# KiCad board Duet2.kicad_pcb (continued)
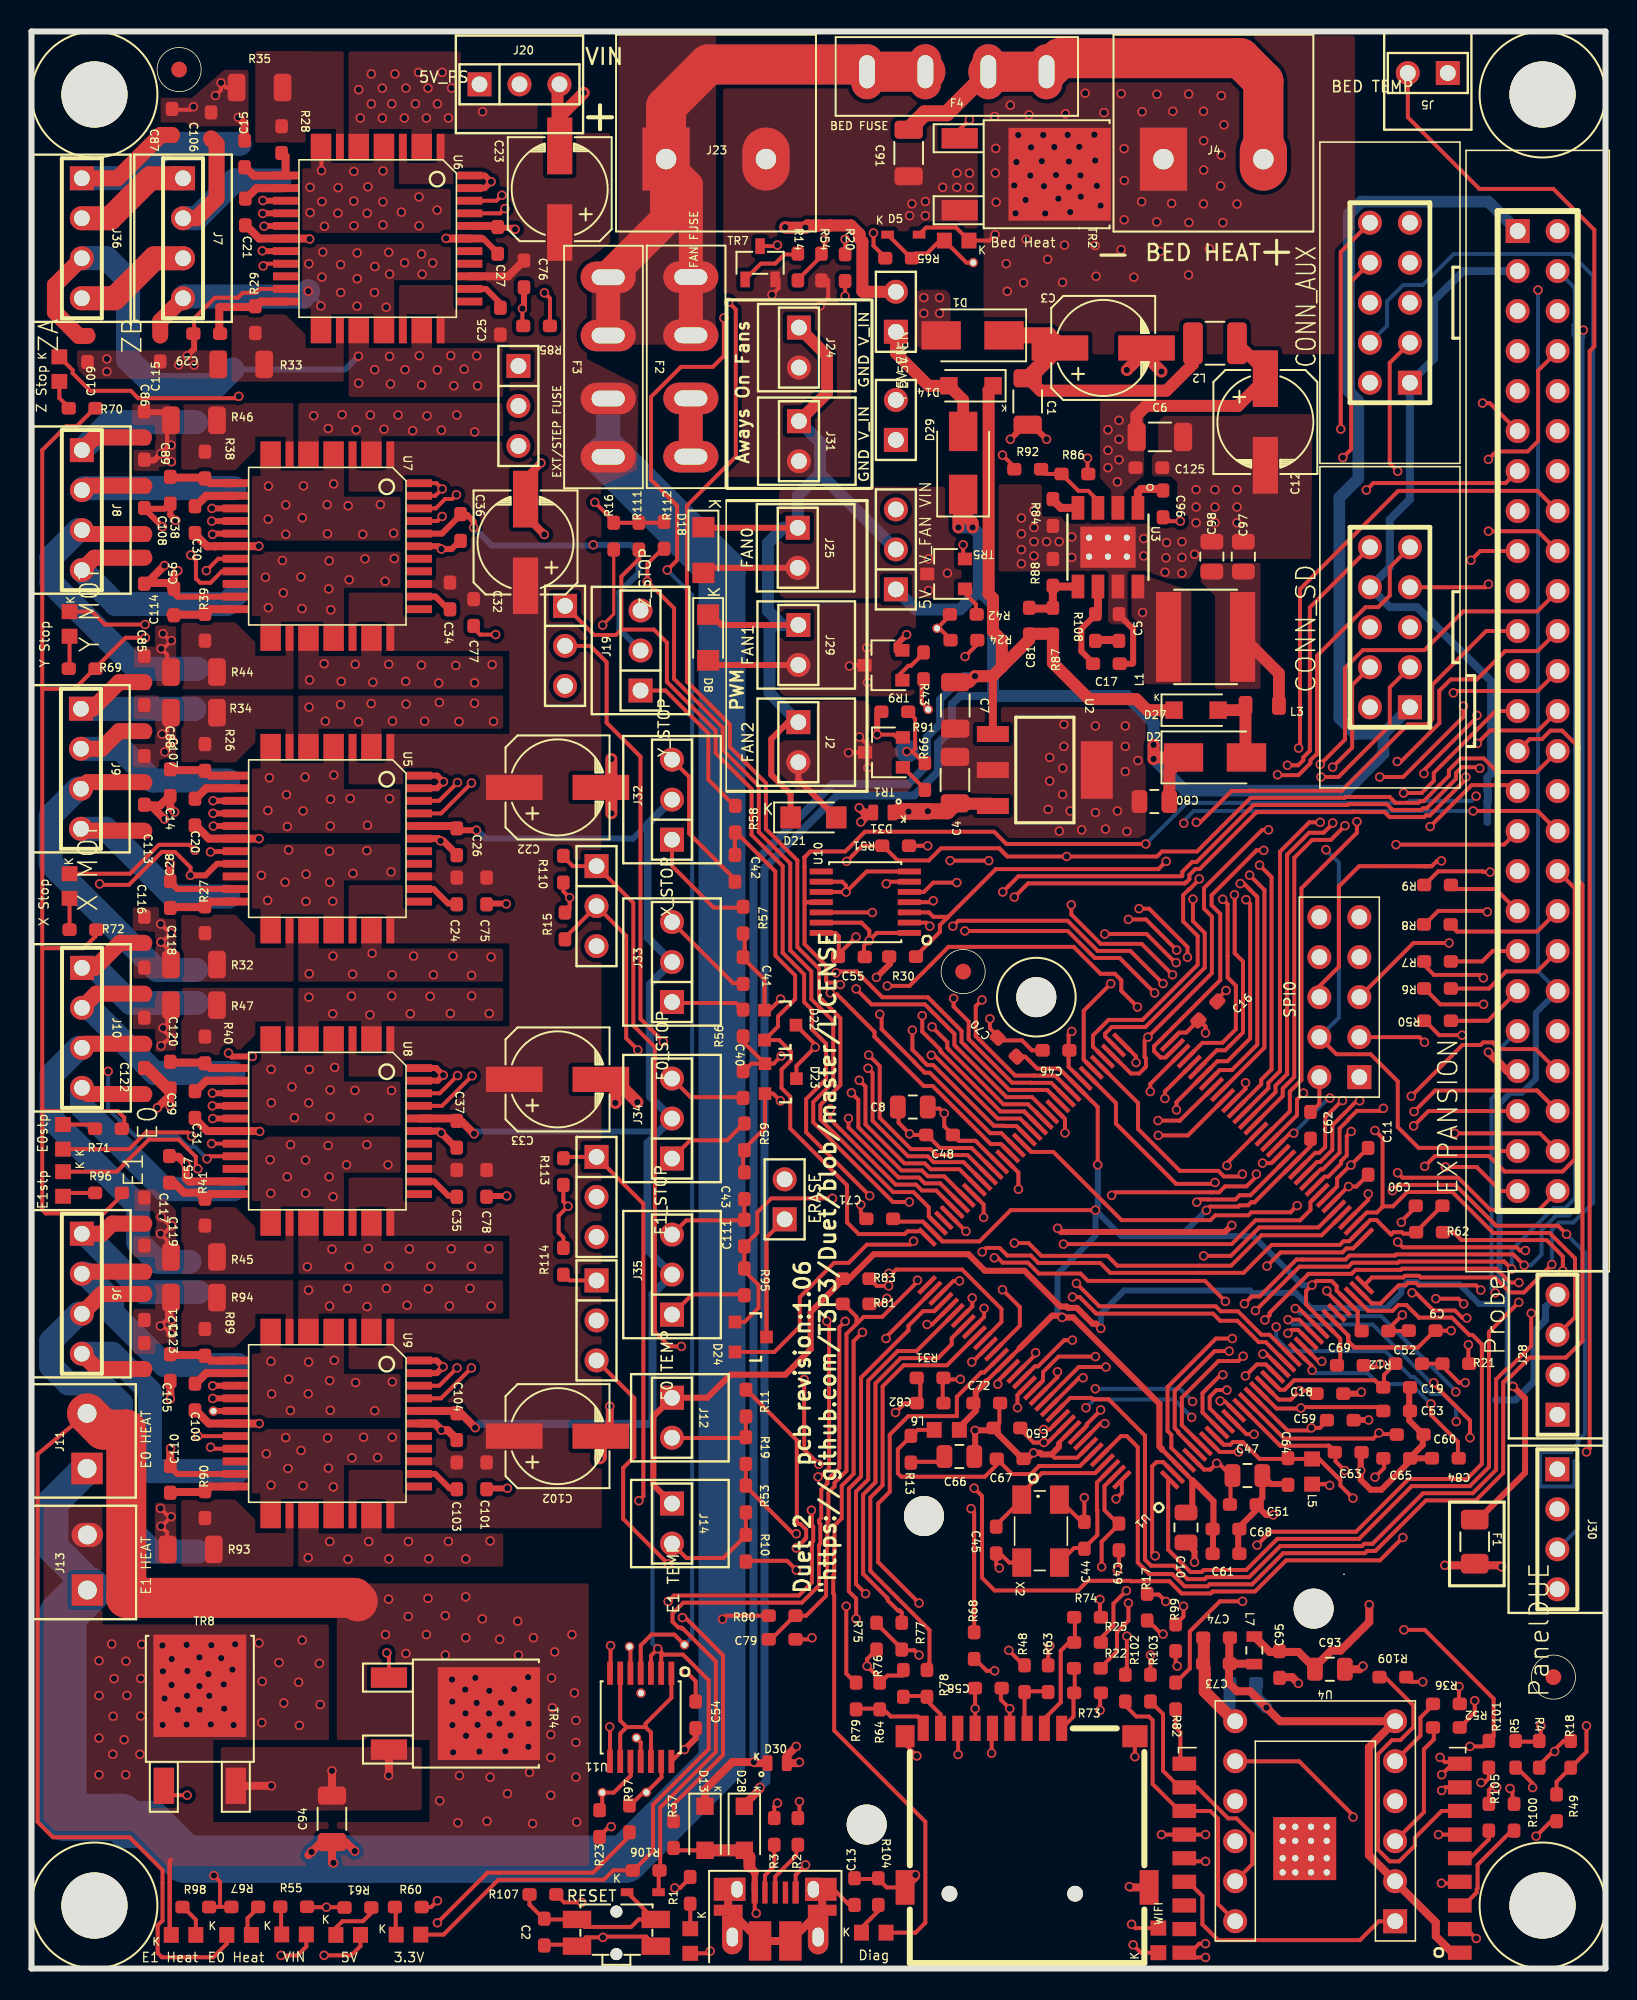
[diagram p0: board, top side]
## Routing (per net, layer and track width the routed paths; a pad name or vN(x,y) marks a point on that pad's centre or on a via; arc(x,y) is an arc through that point) (continued)
E1_DIR: length 40.6
  Top w0.254: v1(27.95,38.14) 26.02,36.21 U9.41 ; v1(54.29,40) 54.29,40.09 U1.110
  In1.Cu w0.254: v1(27.95,38.14) 30.97,41.15 TP5.2 38.83,38.22 42.24,38.22 45.49,34.97 47.8,34.97 47.81,34.99 48,34.99 50.26,37.25 50.77,37.25 50.85,37.31 51,37.29 51.03,37.34 51.11,37.51 51.15,37.52 51.17,37.55 51.35,37.58 51.59,37.67 53.93,40 v1(54.29,40)
E1_EN: length 76.1
  Top w0.254: v1(64.3,34.23) 64.69,34.23 U1.133 ; v1(10.57,33.82) 10.58,33.81 U9.18 ; TP5.3 38.3,36.22 38.3,32.49 37.59,31.79 37.59,28.55 40.44,25.69 v1(40.46,25.69)
  In1.Cu w0.254: v1(10.57,33.82) 10.57,32.75 10.99,32.32 13.27,32.32 15.49,34.54 25.39,34.54 29.46,38.61 TP5.3 ; v1(40.46,25.69) 40.94,25.69 42.23,26.98 42.23,27.7 42.76,28.23 49.93,28.23 50.37,28.67 50.47,28.67 54.64,32.84 62.49,32.84 63.88,34.23 v1(64.3,34.23)
E1_MOT_1A: length 16.8
  Top w1.016: 7.17,44.25 3.34,44.25 J6.2
  Bottom w1.524: 13.13,38.33 8.44,38.33 5.12,41.65 5.12,42.43 3.43,44.12 J6.2
  vias: v1(15.21,38.56) v1(15.26,36.49) v1(16.34,37.42) v1(16.45,35.44) v1(17.61,38.51) v1(17.58,36.49) v1(18.95,37.33) v1(18.98,35.45) v1(19.24,38.62) v1(20.59,37.21) v1(21.81,35.42) v1(22.92,37.26)
E1_MOT_1B: length 13.2
  Top w1.016: 7.17,47.3 5.13,47.3 4.48,46.66 J6.1
  Bottom w1.524: 10.6,42.95 7.13,42.95 3.42,46.66 J6.1
  vias: v1(17.6,43.08) v1(18.94,42.06) v1(20.08,43.19) v1(21.32,42.03) v1(22.55,43.19) v1(23.86,42.12) v1(25.21,43.17) v1(26.55,42.07) v1(27.86,43.19) v1(29.2,42.07)
E1_MOT_2A: length 27.3
  Top w1.016: 7.17,42.83 4.45,42.83 J6.3
  Bottom w1.524: 10.58,26.48 7.68,26.48 5.69,28.47 5.69,35.88 4.42,37.15 2.34,37.15 1.25,38.24 1.25,39.85 2.99,41.58 J6.3
  vias: v1(17.58,26.08) v1(18.95,27.11) v1(20.11,25.99) v1(21.42,27.11) v1(22.7,26.01) v1(23.95,27.11) v1(25.24,26.02) v1(26.49,27.12) v1(27.59,26.01) v1(29.14,27.15)
E1_MOT_2B: length 20.3
  Top w1.016: 7.17,38.07 4.17,38.07 J6.4
  Bottom w1.524: 13.12,31.58 7.53,31.58 7.52,31.6 7.52,36.65 5.13,39.04 J6.4
  vias: v1(14.92,32.68) v1(15.22,30.7) v1(16.15,33.71) v1(16.3,31.76) v1(17.12,32.9) v1(17.25,30.66) v1(18.82,33.69) v1(18.86,31.77) v1(19.18,30.58) v1(20.36,32.43) v1(21.1,33.74) v1(21.99,32.45) v1(22.92,33.74)
E1_PWM: length 4.3
  Top w0.254: 37.99,10.3 38.87,11.19 TP11.1 39.07,11.19 40.02,12.14 40.02,13.67
E1_STEP: length 61.6
  Top w0.254: v1(27.03,38.14) 25.91,37.01 U9.42 ; U1.126 63.75,38.24 63.95,38.24 65.61,39.9 v1(66.13,39.9) ; TP5.1 34.2,43.69 33.79,44.1 ; v1(49.09,37.4) 49.09,32.95 v1(50.02,32.02)
  In1.Cu w0.254: v1(49.09,37.4) 47.09,37.4 45.82,38.68 40.91,38.68 TP5.1 32.59,43.69 v1(27.03,38.14) ; v1(66.13,39.9) 65.47,39.9 61.64,36.07 54.77,36.07 53.77,35.07 53.68,34.89 53.61,34.86 53.61,34.86 53.6,34.86 53.6,34.85 53.53,34.83 53.4,34.7 53.25,34.4 53.12,34.36 53.1,34.3 53.09,34.3 53.07,34.28 53.06,34.27 53.05,34.26 52.93,34.23 50.72,32.02 v1(50.02,32.02)
E1_STOP: length 26.8
  Top w0.25: v1(60.49,47.69) 60.49,48.51 U1.100 ; v1(50.89,48.9) 47,48.9 46.12,48.02 46.12,46.73 45.29,45.9 45.29,44.5 45.19,44.4 46.19,43.4 46.19,41.95 45.3,41.05 D24.1
  In1.Cu w0.25: v1(50.89,48.9) 52.06,50.07 58.11,50.07 v1(60.49,47.69)
E1_STOP_CONN: length 49.3
  Top w0.254: D19.2 5.42,50.6 7.45,52.64 9.35,52.64 10.44,51.55 10.44,50.95 ; 45.22,42.89 45.2,42.89 ; J35.1 41.97,42.8 45.19,42.8
  In1.Cu w0.254: J35.1 37.13,45.09 34.53,45.09 31.7,47.92 13.43,47.92 v1(10.57,50.78)
E2_DIR: length 65.8
  Top w0.254: U1.71 72.05,57.85 71.72,57.85 71.32,58.25 71.32,58.56 75.52,62.76 75.52,66.97 74.97,67.52 74.97,68.15 77.83,71 v1(78.29,71)
  In1.Cu w0.254: J1.6 96.58,105.25 95.34,104.01 93.89,104.01 92.82,102.93 92.82,99.04 91.85,98.08 85.09,98.08 83.69,96.67 83.28,96.67 83.23,96.63 83.22,96.63 83.19,96.6 83.17,96.6 83.15,96.58 83.09,96.58 83.09,96.57 83.07,96.57 83.07,96.57 83.06,96.57 82.69,96.2 82.69,95.92 81.16,94.4 81.16,78.99 80.29,78.12 80.24,78.12 79.87,77.75 79.87,77.7 77.96,75.79 77.96,71.33 v1(78.29,71)
E2_EN: length 60.8
  Top w0.254: v1(83.45,72.57) 82.55,71.67 81.36,71.67 80.23,70.53 80.23,56.61 79.49,55.88 79.49,55.39 U1.57
  In1.Cu w0.254: J1.7 93.27,101.56 93.27,98.86 92.04,97.62 87.82,97.62 85.71,95.52 85.71,93.81 82.53,90.63 82.53,78.48 83.19,77.82 83.3,77.82 84.2,76.92 84.2,74.95 83.45,74.2 v1(83.45,72.57)
E2_STEP: length 100.1
  Top w0.25: v1(66.81,37.51) 66.56,37.51 U1.131
  In1.Cu w0.25: v1(66.81,37.51) 66.81,39.01 67.71,39.91 68.69,39.91 69.75,40.96 69.75,50.55 68.08,52.22 68.08,62.13 67.94,62.26 67.94,62.8 69.77,64.62 69.77,65.82 71.36,67.41 71.36,70.46 71.42,70.51 71.42,74.03 77.99,80.6 77.99,100.7 82.92,105.64 82.92,110.57 84.5,112.15 88.13,112.15 90.13,110.15 90.13,109.53 J1.5
E2_STOP: length 96.9
  Top w0.254: v1(94.04,44.41) 93.56,44.89 86.88,44.89 86.81,44.82 83.92,44.82 83.67,44.57 80.55,44.57 v1(77.76,41.77) ; U1.4 72.41,33.05 72.41,33.89 72.17,34.13 72.17,36.92 75.25,40 v1(76.29,40)
  In1.Cu w0.254: v1(77.76,41.77) 77.76,41.47 v1(76.29,40)
  Bottom w0.254: J1.4 98.05,106.7 98.05,104.42 97.96,104.34 97.96,103.74 98.06,103.64 98.06,48.91 97.43,48.28 96.68,48.28 94.04,45.64 v1(94.04,44.41)
E3_DIR: length 59.5
  Top w0.254: J1.11 92.64,99.4 v1(92.19,99.4) ; v1(78.02,70.06) 78.78,69.3 78.78,57.09 78.13,56.44 78.13,56.15 U1.60
  In1.Cu w0.254: v1(92.19,99.4) 91.51,98.72 85.1,98.72 83.5,97.13 82.98,97.13 82.88,97.02 82.87,97.02 80.71,94.87 80.71,79.18 80.11,78.57 80.05,78.57 79.42,77.94 79.42,77.89 77.46,75.93 77.46,70.62 v1(78.02,70.06)
E3_EN: length 59.6
  Top w0.254: v1(84.21,72.82) 84.21,72.12 80.68,68.59 80.68,56.42 79.95,55.69 79.95,54.43 U1.55
  In1.Cu w0.254: v1(84.21,72.82) 84.73,73.35 84.73,77.08 83.04,78.77 83.04,90.5 86.17,93.63 86.17,95.33 86.53,95.7 86.6,95.7 88.04,97.14 93.04,97.14 93.8,96.38 95.71,96.38 J1.12
E3_STEP: length 113
  Top w0.254: v1(95.28,41.6) 95.28,39.53 93.79,38.04 93.68,38.04 93.05,37.41 93.05,31.66 91.57,30.18 88.4,30.18 85.19,26.97 84.67,26.97 84.53,26.83 79.33,26.83 77.36,24.85 74.66,24.85 74.54,24.72 73.44,24.72 72.59,25.58 71.13,25.58 70.74,25.97 70.74,33.83 68.43,36.15 67.43,36.15 67.35,36.23 65.99,36.23 U1.132
  In1.Cu w0.254: v1(95.28,41.6) 95.28,41.97 95.6,42.29 95.6,43.82 95.96,44.18 95.96,44.92 95.99,44.95 95.99,46 97.36,47.37 98.06,47.37 99.03,48.34 99.03,98.1 J1.10
E3_STOP: length 100.6
  Top w0.254: v1(77.06,42.21) 77.52,42.68 78.02,42.68 80.37,45.02 80.76,45.02 80.76,45.02 83.48,45.02 83.73,45.27 86.62,45.27 86.7,45.35 94.14,45.35 v1(94.83,44.66) ; U1.6 72.87,34.01 72.87,34.08 72.63,34.32 72.63,36.67 75.17,39.2 v1(76.09,39.2)
  In1.Cu w0.254: J1.9 95.62,101.37 95.62,103.27 96.38,104.04 v1(98.59,104.04) ; v1(77.06,42.21) 75.66,40.82 75.66,39.63 v1(76.09,39.2)
  Bottom w0.254: v1(94.83,44.66) 95.25,44.66 95.94,45.34 95.94,46.89 96.87,47.82 97.67,47.82 98.54,48.69 98.54,103.56 98.59,103.61 v1(98.59,104.04)
E4_DIR: length 59.3
  Top w0.254: U1.78 66.85,57.71 66.85,60.82 v1(68.57,62.54) ; J1.16 95.68,93.83 86.83,93.83 80.59,87.59 80.59,77.58 v1(80.5,77.49)
  In1.Cu w0.254: v1(80.5,77.49) 80.5,75.59 79.9,74.98 79.9,69.68 77.37,67.15 71.74,67.15 70.22,65.63 70.22,64.31 68.57,62.66 v1(68.57,62.54)
E4_EN: length 58.8
  Top w0.25: v1(91.45,89.42) 92.03,90.01 J1.17 ; v1(90.98,80.16) 90.98,79.49 87.15,75.66 v1(85.65,75.66) ; v1(78.21,51.14) 78.78,51.14 U1.52
  In1.Cu w0.25: v1(90.98,80.16) 90.98,88.95 v1(91.45,89.42) ; v1(78.21,51.14) 78.21,54.2 70.73,61.69 70.73,62.27 72.04,63.59 72.04,64.84 72.51,65.3 78.13,65.3 85.65,72.83 v1(85.65,75.66)
E4_STEP: length 94.9
  Top w0.254: v1(94.49,42.3) 92.6,40.41 92.6,31.85 91.38,30.63 87.69,30.63 84.34,27.28 79.15,27.28 77.17,25.3 74.48,25.3 74.35,25.18 73.63,25.18 72.21,26.59 72.21,30.93 U1.1
  In1.Cu w0.254: v1(94.49,42.3) 95.15,42.96 95.15,44.05 95.51,44.42 95.51,45.11 95.54,45.14 95.54,46.19 97.17,47.82 97.81,47.82 98.57,48.59 98.57,90.76 98.06,91.27 95.69,91.27 J1.15
E4_STOP: length 84.8
  Top w0.254: U1.7 73.83,33.76 73.83,33.76 73.08,34.51 73.08,36.25 75.41,38.58 76.67,38.58 v1(76.98,38.88) ; v1(94.5,43.56) 93.94,43.56 93.06,44.44 87.07,44.44 87,44.36 84.12,44.36 83.87,44.11 81.14,44.11 78.66,41.63 78.66,41.48 v1(78.36,41.18)
  In1.Cu w0.254: v1(78.36,41.18) 77.1,39.93 77.1,39.01 v1(76.98,38.88)
  In2.Cu w0.254: v1(94.5,43.56) 94.94,43.56 95.96,44.58 95.96,45 96.29,45.33 98.1,45.33 98.77,46.01 98.77,93.27 J1.14
E5_DIR: length 45.8
  Top w0.25: J1.21 92.41,84.93 88.99,81.5 88.99,79.33 88.66,79 87.45,79 83.24,74.79 77.54,74.79 77.37,74.79 77.36,74.78 76.25,74.78 74.25,72.78 v1(74,72.78) ; U1.74 68.21,59.18 68.21,59.36 68.63,59.78 70.77,59.78 74.54,63.55 74.54,65.75 73.79,66.5 v1(73.79,67.9)
  In1.Cu w0.25: v1(73.79,67.9) 73.57,68.13 73.57,69.45 74,69.88 v1(74,72.78)
E5_EN: length 48
  Top w0.25: J1.22 95.69,83.65 93.62,83.65 91.83,81.86 90.16,81.86 89.44,81.14 89.44,79.07 87.01,76.64 v1(86.77,76.64) ; v1(80.19,53.04) 79.97,53.04 U1.53
  In1.Cu w0.25: v1(86.77,76.64) 87.96,75.45 87.96,73.22 87.78,73.04 87.78,72.14 87.79,72.13 87.79,72.07 87.95,71.91 87.95,61.2 86.96,60.21 86.96,55.06 86.76,54.86 86.76,54.61 86.13,53.98 83.49,53.98 82.49,54.98 v1(82.49,55.27)
  Bottom w0.25: v1(80.19,53.04) 82.42,55.27 v1(82.49,55.27)
E5_STEP: length 77
  Top w0.25: v1(67.59,38.86) 65.24,38.86 64.27,37.88 64.27,37.34 U1.128 ; J1.20 95.67,86.18 90.96,86.18 88.5,83.72 84.58,83.72 83.45,82.58 83.45,78.04 v1(81.88,76.46)
  Top w0.254: U1.128 64.26,37.34
  In1.Cu w0.25: v1(67.59,38.86) 68.28,38.86 70.2,40.77 70.2,50.74 68.65,52.29 68.65,61.73 69.38,62.47 69.38,62.83 70.67,64.12 70.67,65.37 71.95,66.65 77.5,66.65 80.35,69.49 80.35,74.77 81.3,75.72 81.3,75.92 81.66,76.29 81.8,76.29 81.88,76.36 v1(81.88,76.46)
E5_STOP: length 71.1
  Top w0.254: U1.10 74.4,35.31 74.4,36.54 75.56,37.7 v1(75.69,37.7) ; v1(86.79,46.13) 87.13,45.8 94.35,45.8 94.56,45.59 v1(94.91,45.59)
  In1.Cu w0.254: v1(86.79,46.13) 86.23,46.13 83.76,43.67 83.76,42.93 80.53,39.7 77.89,39.7 77.6,39.41 77.6,38.58 77.28,38.26 76.24,38.26 v1(75.69,37.7)
  In2.Cu w0.254: v1(94.91,45.59) 95.66,46.34 95.66,86.23 J1.19
E6_DIR: length 62.2
  Top w0.25: v1(91.85,77.79) 92.68,78.62 95.73,78.62 J1.26 ; v1(75.95,36.73) 75.28,36.73 74.85,36.31 74.85,35.57 U1.11
  In1.Cu w0.25: v1(91.85,77.79) 90.5,76.44 90.5,74.14 90.86,73.78 90.86,73.2 91.51,72.56 91.51,58.89 91.48,58.86 91.48,57.75 91.98,57.24 91.98,47.7 87.94,43.66 87.04,43.66 86.02,42.63 86.02,41.73 83.09,38.81 83.09,38.04 82.4,37.36 80.3,37.36 79.68,36.73 v1(75.95,36.73)
E6_EN: length 92
  Top w0.254: U1.140 69.21,33.8 69.59,33.8 70.28,33.11 70.28,25.78 71.02,25.05 72.48,25.05 73.25,24.27 74.72,24.27 74.85,24.4 77.55,24.4 79.52,26.37 84.71,26.37 84.85,26.51 85.38,26.51 88.59,29.72 91.75,29.72 93.5,31.47 93.5,37.22 93.87,37.59 93.98,37.59 95.18,38.79 97.48,38.79 98.54,39.85 98.54,68.82 98.3,69.05 98.3,77.55 97.25,78.61 96.5,78.61 95.96,78.07 95.18,78.07 J1.27
E6_STEP: length 38
  Top w0.25: v1(85.89,54.62) 85.73,54.46 84.2,54.46 83.64,53.9 83.64,53.87 83.11,53.34 83.11,51.81 82.04,50.74 81.91,50.74 U1.47 ; v1(87.17,74.64) 88.32,74.64 89.09,75.42 89.09,75.92 93.02,79.85 J1.25
  In1.Cu w0.25: v1(85.89,54.62) 86.4,55.13 86.4,60.28 87.41,61.29 87.41,71.82 87.17,72.06 v1(87.17,74.64)
E6_STOP: length 56.5
  Top w0.25: v1(81.97,38.55) 81.77,38.55 U1.25 ; J1.24 95.7,81.13 90.45,81.13 v1(90.33,81)
  In1.Cu w0.25: v1(81.97,38.55) 81.97,38.98 85.12,42.12 85.12,43.1 86.62,44.6 87.6,44.6 91.09,48.09 91.09,56.86 90.82,57.12 90.82,57.13 90.38,57.57 90.38,58.88 90.26,59 90.26,59.01 90.26,59.53 90.62,59.88 90.62,64.79 90.68,64.86 90.68,70.72 90.62,70.79 90.62,72.81 90.41,73.02 90.41,73.59 90.05,73.95 90.05,80.72 v1(90.33,81)
EDR_CONN: length 28.9
  Top w0.254: v1(71.89,21.23) 71.79,21.23 70.88,22.15 ; 90.73,11.5 89.79,11.5 v1(89.59,11.3)
  In1.Cu w0.254: v1(71.89,21.23) 72.02,21.11 72.02,15.05 76.45,10.62 85.09,10.62 86.18,11.71 89.18,11.71 v1(89.59,11.3)
ENC_A: length 95.7
  Top w0.254: U1.36 85.16,43.88 87.16,43.88 87.26,43.98 88.15,43.98 88.26,43.88 92.98,43.88 93.93,42.93 94.82,42.93 v1(96.59,44.7)
  Bottom w0.254: v1(96.59,44.7) 96.59,46.9 97.06,47.37 97.96,47.37 99.22,48.63 99.22,107.48 97.82,108.88 90.36,108.88 88.39,106.9 87.16,106.9 86.12,105.86 86.12,104.33 P2.4
ENC_B: length 59.1
  Top w0.25: 84.2,55.1 v1(84.38,55.1) 84.2,55.1 ; 84.2,55.1 82.64,53.54 82.64,51.99 81.87,51.21 81.67,51.21 U1.48 ; v1(86.8,95.08) 86.29,95.58 86.29,101.95 P2.3
  In1.Cu w0.25: v1(84.38,55.1) 84.85,55.1 85.49,55.74 85.49,71.33 86.28,72.12 86.28,76.18 83.49,78.96 83.49,90.31 86.8,93.62 v1(86.8,95.08)
ENC_SW: length 68.1
  Top w0.254: P1.7 92.37,87.71 v1(92.56,87.9) ; U1.35 85.15,42.24 85.71,42.24 86.86,43.38 87.3,43.38 87.45,43.53 87.97,43.53 88.12,43.38 91.78,43.38 v1(92.07,43.08)
  In1.Cu w0.254: v1(92.56,87.9) 93.26,88.6 97.66,88.6 98.12,88.14 98.12,48.78 97.62,48.28 96.51,48.28 92.07,43.85 v1(92.07,43.08)
ENN: length 258.9
  Top w0.25: 61.48,71.13 61.89,70.72 ; 61.48,71.13 62,70.61 v1(65.77,70.61) 71.5,70.61 71.82,70.93 74.05,70.93 77.45,74.33 77.55,74.33 77.55,74.34 83.43,74.34 83.48,74.39 86.29,74.39 86.66,74.02 88.11,74.02 88.21,74.13 88.44,74.13 90.05,75.73 90.05,76.1 90.78,76.84 92.27,76.84 93.13,75.97 95.63,75.97 J1.28 ; 61.48,71.13 57.78,71.13 57.01,70.36 55.03,70.36 54.1,71.29 ; v1(80.81,55.59) 80.4,55.18 80.4,54.18 U1.54 ; v1(66.06,67.54) 66.06,66.93 67.93,65.07 70.53,65.07 v1(72.49,63.1)
  Top w0.254: v1(11.38,33.1) 11.47,33.01 U9.19 ; v1(4.33,68.87) 4.39,68.81 6.19,68.81 8.28,70.9 9.12,70.9 10.1,69.92 v1(10.1,69.41) ; v1(14.72,108.11) 14.86,108.25 U6.19 ; v1(11.15,51.41) 11.31,51.58 U8.19 ; v1(10.12,89.75) 10.45,89.42 10.45,88.26 10.72,87.99 11.37,87.99 12.09,88.72 U7.19 ; v1(51.79,70.3) 52.78,71.29 54.1,71.29
  Top w0.381: v1(10.1,69.41) 11.05,69.41 11.78,70.15 U5.19
  In1.Cu w0.25: v1(66.06,67.54) 66.06,70.32 v1(65.77,70.61) ; v1(72.49,63.1) 73.22,63.1 80.73,55.59 v1(80.81,55.59)
  In1.Cu w0.254: v1(11.38,33.1) 11.38,34.22 11.77,34.61 12.5,34.61 13.72,35.83 13.72,37.68 12.35,39.05 8.26,39.05 7.09,40.22 7.09,51.7 8.22,52.84 9.24,52.84 9.88,52.2 10.69,52.2 11.15,51.74 v1(11.15,51.41) ; 13.52,73.19 12.11,71.77 10.16,71.77 9.57,71.19 9.57,69.94 v1(10.1,69.41) ; 13.52,73.19 13.52,75.08 12.54,76.06 7.33,76.06 6.55,76.84 6.55,88.13 8.16,89.74 10.11,89.74 v1(10.12,89.75) 10.68,90.31 12.12,90.31 13.54,91.74 13.54,93.57 12.54,94.58 7.29,94.58 6.55,95.32 6.55,98.6 7.23,99.28 11.57,99.28 13.96,101.67 13.96,101.69 14.72,102.45 v1(14.72,108.11) ; 13.52,73.19 14.07,73.19 15.51,71.74 24.84,71.74 25.4,72.3 26.23,72.3 27.16,71.38 29.56,71.38 34.78,66.17 36.65,66.17 39.92,69.44 42.44,69.44 43.3,70.3 v1(51.79,70.3) ; v1(4.33,68.87) 4.52,68.69 4.52,57.75 4.87,57.4 v1(4.87,56.97)
  Bottom w0.254: v1(4.87,56.97) 4.87,54.58 6.62,52.83 9.28,52.83 9.94,52.17 10.39,52.17 v1(11.15,51.41)
ERASE: length 25
  Top w0.25: U1.87 63.32,54.88 61.75,54.88 58.28,58.35 58.28,58.36 58.18,58.46 58.18,58.83 57.22,59.79 v1(57.22,59.8)
  In1.Cu w0.25: JP1.2 49.17,51.43 52.05,51.43 55.87,55.25 55.87,58.45 v1(57.22,59.8)
ESP_3.3VIN: length 35.6
  Top w0.508: 90.46,1 90.27,1 89.22,2.05 89.22,2.93 86.63,5.52 J16.2 84.97,7.21 84.97,14.04 J16.6 79.32,15.7 v1(78.46,16.56) 77.42,17.6 76.59,17.6 76.08,18.11 76.08,19.35 ; L7.2 77.66,19.35 76.08,19.35 ; 76.08,19.35 76.1,19.37 76.1,20.89
  Bottom w0.762: C92.1 77.81,17.21 v1(78.46,16.56)
ESP_DATA_RDY: length 12.2
  Top w0.254: v1(72.06,23.31) 71.63,23.75 70.88,23.75 ; v1(71.39,26.2) 71.2,26.4 71.2,31.89 71.46,32.16 71.9,32.16 U1.2
  In1.Cu w0.254: v1(71.39,26.2) 72.06,25.53 v1(72.06,23.31)
ESP_EN: length 45.1
  Top w0.254: v1(98.79,15.4) 98.79,13.75 96.89,11.85 96.89,11 ; U1.28 80.53,41.9 v1(80.29,41.9)
  In1.Cu w0.254: v1(98.79,15.4) 98.79,28.85 97.39,30.25 96.21,30.25 95.59,30.88 95.59,31.51 v1(90.49,36.61)
  Bottom w0.254: v1(80.29,41.9) 80.59,41.6 80.89,41.6 81.07,41.42 85.75,41.42 90.49,36.68 v1(90.49,36.61)
ESP_RST: length 40.1
  Top w0.254: v1(79.83,41.2) 80.53,41.2 U1.27 ; 94.29,14.4 95.79,14.4 95.89,14.5 v1(95.89,15.4) ; v1(89.08,37.2) 89.08,37.11 91.39,34.8 v1(91.39,33.7)
  In1.Cu w0.254: v1(95.89,15.4) 95.89,15.69 91.39,20.19 v1(91.39,33.7)
  Bottom w0.254: v1(89.08,37.2) 88.89,37.2 85.19,40.9 80.13,40.9 v1(79.83,41.2)
ESP_RST_IN: length 30.9
  Top w0.254: 86.61,3 85.6,3 84.4,1.8 75.39,1.8 74.39,2.8 74.39,4.6 73.49,5.5 ; v1(95.37,11.49) 95.37,11.75 94.31,12.8 94.29,12.8
  In1.Cu w0.254: 86.61,3 88.04,3 95.37,10.33 v1(95.37,11.49)
FAN0: length 83.9
  Top w0.25: v1(62.64,35.61) 62.64,36.42 U1.127 ; v1(50.53,41.1) 50.67,40.96 50.67,31.78 50.11,31.22 v1(49.97,31.22)
  Top w0.254: 58.4,85.99 58.4,85.97 TP12.1 57.69,85.1 58.44,84.35
  In1.Cu w0.25: v1(62.64,35.61) 62.08,35.04 55.52,35.04 55.15,34.68 55.15,34.68 51.69,31.22 v1(49.97,31.22) ; TP12.1 57.6,85.03 57.6,79.7 59.28,78.01 59.28,69.35 59.64,68.99 59.64,66.43 59.93,66.14 59.93,65.62 55.42,61.12 55.42,59.96 55.31,59.84 55.31,55.33 52.93,52.95 48.4,52.95 46.39,50.94 46.39,45.24 v1(50.53,41.1)
FAN0-: length 6.1
  Top w0.381: 42.69,88.75 42.88,88.94 J25.2
  vias: v1(56.99,89.5) v1(56.99,87.5) v1(58.19,88.6)
FAN1: length 65.9
  Top w0.25: v1(75.52,36.04) 75.79,36.04 U1.13 ; v1(58.36,70.35) 58.37,70.35 v1(60.82,70.35) ; v1(75.85,42.36) 74.55,43.66 67.12,43.66 66.65,44.13 63.99,44.13 63.3,44.82 61.7,44.82 61.39,45.13 v1(61.17,45.13)
  Top w0.254: 56.96,79.97 56.55,80.38 56.55,81.91
  In1.Cu w0.25: 56.96,79.97 56.96,79.7 58.36,78.29 v1(58.36,70.35) ; v1(60.82,70.35) 61,70.16 61,66.99 61.29,66.71 61.29,64.85 59.21,62.78 59.21,56.64 61.17,54.68 v1(61.17,45.13) ; v1(75.85,42.36) 75.06,41.58 75.06,36.49 v1(75.52,36.04)
FAN1-: length 9
  Top w0.254: v1(53.07,83.86) 53.07,83.86 53.07,82.76 ; v1(53.11,81.67) 53.07,81.71 53.07,82.76 ; v1(51.97,82.7) 52.02,82.76 53.07,82.76
  Top w0.381: J29.2 43.48,82.77 43.18,83.07
FAN2: length 42.7
  Top w0.25: U1.102 57.73,49.85 56.76,49.85 56.38,50.23 55.08,50.23 51.9,53.41 v1(51.9,53.98)
  Top w0.254: 56.76,76.49 55.97,77.28 56.14,77.45 56.14,79.36 R91.2
  In1.Cu w0.25: 55.63,77.29 57.01,75.92 ; 57.01,75.92 55.65,77.27 v1(55.61,77.27) ; 57.01,75.92 57.59,75.34 57.59,70.9 55.65,68.96 55.65,61.99 54.97,61.31 54.97,60.15 54.85,60.03 54.85,55.71 53.12,53.98 v1(51.9,53.98)
FAN2-: length 7.9
  Top w0.254: v1(52.6,78.2) 53.1,77.7 53.1,77.22 ; v1(53.13,76.24) 53.1,76.27 53.1,77.22 ; v1(51.91,77.2) 51.93,77.22 53.1,77.22
  Top w0.381: D21.2 48.72,75.5 J2.2
GPIO4: length 3.6
  Top w0.254: R82.2 72.69,15.3 72.99,15 72.99,13
GPIO5: length 3.8
  Top w0.254: v1(74.59,6.8) 73.45,6.8 73.25,7
  In1.Cu w0.254: v1(74.59,6.8) 75.18,6.8 76.45,8.08
HEATER0: length 62.2
  Top w0.25: U1.23 78.66,40.24 78.14,40.24 76.65,41.74 75.55,41.74 75.23,42.05 67.84,42.05 67.84,42.06 v1(66.39,43.5)
  Top w0.254: 37.99,20.45 38.05,20.38 U11.5
  In1.Cu w0.25: TP6.1 37.44,20.99 37.44,30.39 39.02,31.97 47.46,31.97 48.03,32.55 48.03,32.83 48.93,33.73 48.93,33.74 49.2,34 49.5,34 51.08,35.58 51.11,35.63 51.14,35.64 51.27,35.76 51.61,35.76 51.72,35.8 51.79,35.76 51.8,35.77 51.88,35.85 51.88,35.85 51.89,35.86 51.93,35.9 51.95,35.93 51.96,35.93 52.01,35.98 52.17,36.29 52.4,36.37 54.34,38.31 57.74,38.31 59.33,39.9 62.15,39.9 65.76,43.5 66.39,43.5 v1(66.39,43.5)
HEATER1: length 67.5
  Top w0.25: v1(36.74,15.34) 36.75,15.32 U11.8 ; U1.22 78.42,39.77 77.97,39.77 76.61,41.13 75.51,41.13 75.06,41.58 67.64,41.58 66.59,42.64 v1(66.13,42.64)
  In1.Cu w0.25: v1(66.13,42.64) 65.83,42.34 65.43,42.34 62.44,39.35 59.65,39.35 58.79,38.49 58.57,38.49 57.93,37.86 54.53,37.86 52.76,36.09 52.72,36 52.65,35.98 52.64,35.97 52.63,35.97 52.58,35.92 52.49,35.92 52.46,35.87 52.46,35.8 52.39,35.73 52.39,35.71 52.38,35.71 52.33,35.62 52.27,35.6 52.23,35.53 52.23,35.51 52.22,35.51 52.2,35.49 52.2,35.49 52.2,35.48 52.15,35.46 52.11,35.4 52.05,35.38 52.04,35.37 52.03,35.37 51.98,35.32 51.88,35.32 51.86,35.31 51.85,35.31 51.75,35.28 51.69,35.31 51.67,35.31 51.57,35.28 51.51,35.31 51.48,35.31 51.48,35.31 51.46,35.27 51.43,35.26 51.42,35.25 51.4,35.21 51.38,35.2 49.72,33.55 49.39,33.55 48.49,32.65 48.49,32.65 48.49,32.37 47.38,31.26 42.42,31.26 42.16,31.52 39.21,31.52 37.89,30.2 37.89,21.93 38.79,21.03 38.79,17.39 v1(36.74,15.34)
HEATER2: length 74.7
  Top w0.25: U1.45 81.26,48.67 81.26,48.17 80.6,47.51 77.76,47.51 76.25,46 v1(65.56,46)
  Top w0.254: 38.42,14.65 38.7,14.37 U11.11
  In1.Cu w0.25: TP8.1 36.26,14.65 35.76,15.15 35.76,29.55 38.63,32.42 38.67,32.42 38.67,32.42 46.98,32.42 47.58,33.02 47.58,33.03 49.01,34.46 49.3,34.46 50.69,35.85 50.71,35.85 50.78,36 50.9,36.03 51.08,36.22 51.13,36.22 51.16,36.23 51.32,36.22 51.37,36.22 51.4,36.24 51.62,36.24 51.68,36.34 51.85,36.66 52.15,36.76 54.15,38.76 57.55,38.76 59.14,40.35 61.97,40.35 65.31,43.69 65.31,45.75 v1(65.56,46)
HEATER3: length 63.3
  Top w0.25: J1.8 95.72,101.47 95.72,97 95.06,96.33 93.07,96.33 v1(92.56,95.83) ; v1(84.92,49.19) 84.92,48.81 U1.40 ; v1(91.83,79.57) 91.83,79.46 88.46,76.09 v1(88.46,75.88)
  In1.Cu w0.25: v1(91.83,79.57) 91.83,87.07 91.48,87.42 91.48,88.39 92.08,88.99 92.08,90.83 91.94,90.97 91.94,95.2 v1(92.56,95.83) ; v1(84.92,49.19) 84.92,49.55 88.43,53.06 88.43,53.85 88.46,53.88 88.46,55.48 87.41,56.53 87.41,60.02 88.4,61.01 88.4,72.09 88.23,72.26 88.23,72.32 88.22,72.33 88.22,72.85 88.46,73.09 v1(88.46,75.88)
HEATER4: length 55.2
  Top w0.254: v1(84.81,93.88) 85.25,94.33 93.66,94.33 J1.13 ; v1(82.67,72.74) 82.67,72.72 82.5,72.55 82.5,72.52 82.13,72.16 82.11,72.16 82.07,72.12 81.17,72.12 79.77,70.73 79.77,56.8 79.04,56.06 79.04,55.65 U1.58
  In1.Cu w0.254: v1(82.67,72.74) 82.67,74.06 83.74,75.14 83.74,76.73 83.11,77.37 83,77.37 82.08,78.29 82.08,91.17 84.79,93.88 v1(84.81,93.88)
HEATER5: length 71.5
  Top w0.254: v1(91.13,75.65) 91.13,75.51 88.83,73.22 88.59,73.22 88.48,73.11 86.29,73.11 85.96,73.44 84.48,73.44 84.47,73.45 83.95,73.45 83.93,73.43 77.83,73.43 74.21,69.81 73.93,69.81 73.56,69.45 73.56,69.16 73.38,68.98 73.34,68.98 73.27,68.9 63.31,68.9 v1(62.44,68.04) ; v1(60.39,61.5) 59.99,61.1 59.99,59.2 62.49,56.7 63.69,56.7 63.7,56.69 65.04,56.69 U1.82 ; v1(92.56,91.27) 95.7,91.27 J1.18
  In1.Cu w0.254: v1(91.13,75.65) 91.13,76.22 91.38,76.47 91.75,76.84 91.79,76.84 92.61,77.66 92.61,86.93 91.94,87.6 91.94,88.21 92.56,88.83 v1(92.56,91.27) ; v1(62.44,68.04) 62.44,64.65 60.39,62.59 v1(60.39,61.5)
HEATER6: length 64.7
  Top w0.254: U1.94 62.7,50.55 v1(62.7,49.48) ; v1(61.7,68.36) 62.7,69.36 73.08,69.36 73.11,69.39 73.11,69.64 73.74,70.27 74.03,70.27 77.64,73.88 83.61,73.88 83.67,73.94 86.1,73.94 86.47,73.57 88.3,73.57 88.4,73.67 88.63,73.67 90.5,75.54 90.5,75.91 90.87,76.28 91.94,76.28 v1(92.01,76.21)
  In1.Cu w0.254: v1(61.7,68.36) 61.74,68.33 61.74,64.67 59.84,62.76 59.84,62.4 59.66,62.23 59.66,56.83 62.7,53.79 v1(62.7,49.48) ; v1(92.01,76.21) 93.14,77.34 93.14,81.11 J1.23
HEATER7: length 33.4
  Top w0.25: J1.31 93.56,71.36 v1(86.69,71.36) ; v1(83.29,55.11) 83.26,55.11 82.19,54.04 82.19,52.17 81.82,51.8 81.55,51.8 U1.49
  In1.Cu w0.25: v1(83.29,55.11) 83.97,54.43 84.83,54.43 85.26,54.87 85.26,54.88 85.63,55.25 85.64,55.25 85.94,55.55 85.94,70.62 v1(86.69,71.36)
LCD_DB4: length 60.4
  Top w0.254: v1(77.39,69.43) 78.33,68.49 78.33,58.47 U1.63 ; v1(83.18,97.75) 83.18,109 P2.10
  In1.Cu w0.254: v1(83.18,97.75) 82.95,97.75 80.26,95.06 80.26,79.36 79.92,79.03 79.86,79.03 78.97,78.13 78.97,78.07 77.01,76.12 77.01,69.81 v1(77.39,69.43)
LCD_DB5: length 66
  Top w0.254: U1.65 75.49,57.05 76.26,57.05 77.88,58.66 77.88,68.04 77.79,68.13 77.79,68.13 77.42,68.5 77.42,68.5 77.02,68.89 v1(76.8,68.89)
  In1.Cu w0.254: P2.9 89.68,108.75 89.68,100.46 88.63,99.41 83.9,99.41 79.8,95.32 79.8,79.55 79.73,79.48 79.68,79.48 78.51,78.32 78.51,78.26 76.56,76.31 76.56,69.13 v1(76.8,68.89)
LCD_DB6: length 62.6
  Top w0.254: U1.67 74.08,57.08 75.3,58.31 75.84,58.31 76.97,59.44 76.97,63.95 76.44,64.47 76.44,68.17 v1(76.43,68.18)
  In1.Cu w0.254: P2.7 88.88,107.01 88.88,102.76 88.07,101.95 81.94,101.95 79.35,99.36 79.35,79.79 78.06,78.5 78.06,78.45 76.1,76.49 76.1,68.51 v1(76.43,68.18)
LCD_DB7: length 56.8
  Top w0.254: v1(75.68,67.9) 75.99,67.59 75.99,64.29 75.99,64.28 75.99,62.93 76.52,62.41 76.52,59.64 75.65,58.78 74.39,58.78 U1.69
  In1.Cu w0.254: v1(75.68,67.9) 75.64,67.93 75.64,70.99 75.64,70.99 75.64,71.36 75.64,76.68 77.59,78.62 77.58,78.63 77.61,78.66 77.61,78.69 77.72,78.8 77.81,78.93 77.85,78.93 78.9,79.98 78.9,99.55 83.88,104.53 86.33,104.53 P2.5
LCD_E: length 59.3
  Top w0.254: U1.59 78.58,55.9 78.58,56.25 79.32,56.99 79.32,70.91 81.19,72.78 v1(81.87,72.78) ; v1(83.31,95.94) 83.84,96.47 83.84,107.12 P2.8
  In1.Cu w0.254: v1(83.31,95.94) 83.31,95.48 81.62,93.79 81.62,78.11 82.81,76.91 82.92,76.91 83.29,76.55 83.29,75.32 81.87,73.9 v1(81.87,72.78)
LCD_RS: length 58.3
  Top w0.25: U1.76 67.43,58.54 67.43,59.25 68.42,60.24 70.59,60.24 74.09,63.74 74.09,65.57 73.16,66.49 73.16,68.16 73.53,68.53 73.57,68.53 74.02,68.98 74.02,69.01 v1(74.19,69.19)
  In1.Cu w0.25: P2.6 83.95,105.78 78.44,100.26 78.44,80.17 77.63,79.36 77.56,79.35 77.39,79.13 77.38,79.12 77.27,79 77.15,78.88 77.15,78.86 74.69,76.4 74.69,69.69 v1(74.19,69.19)
